# Altium PCB PCB SOM AM625.PcbDoc (part 5 of 6) (continued)
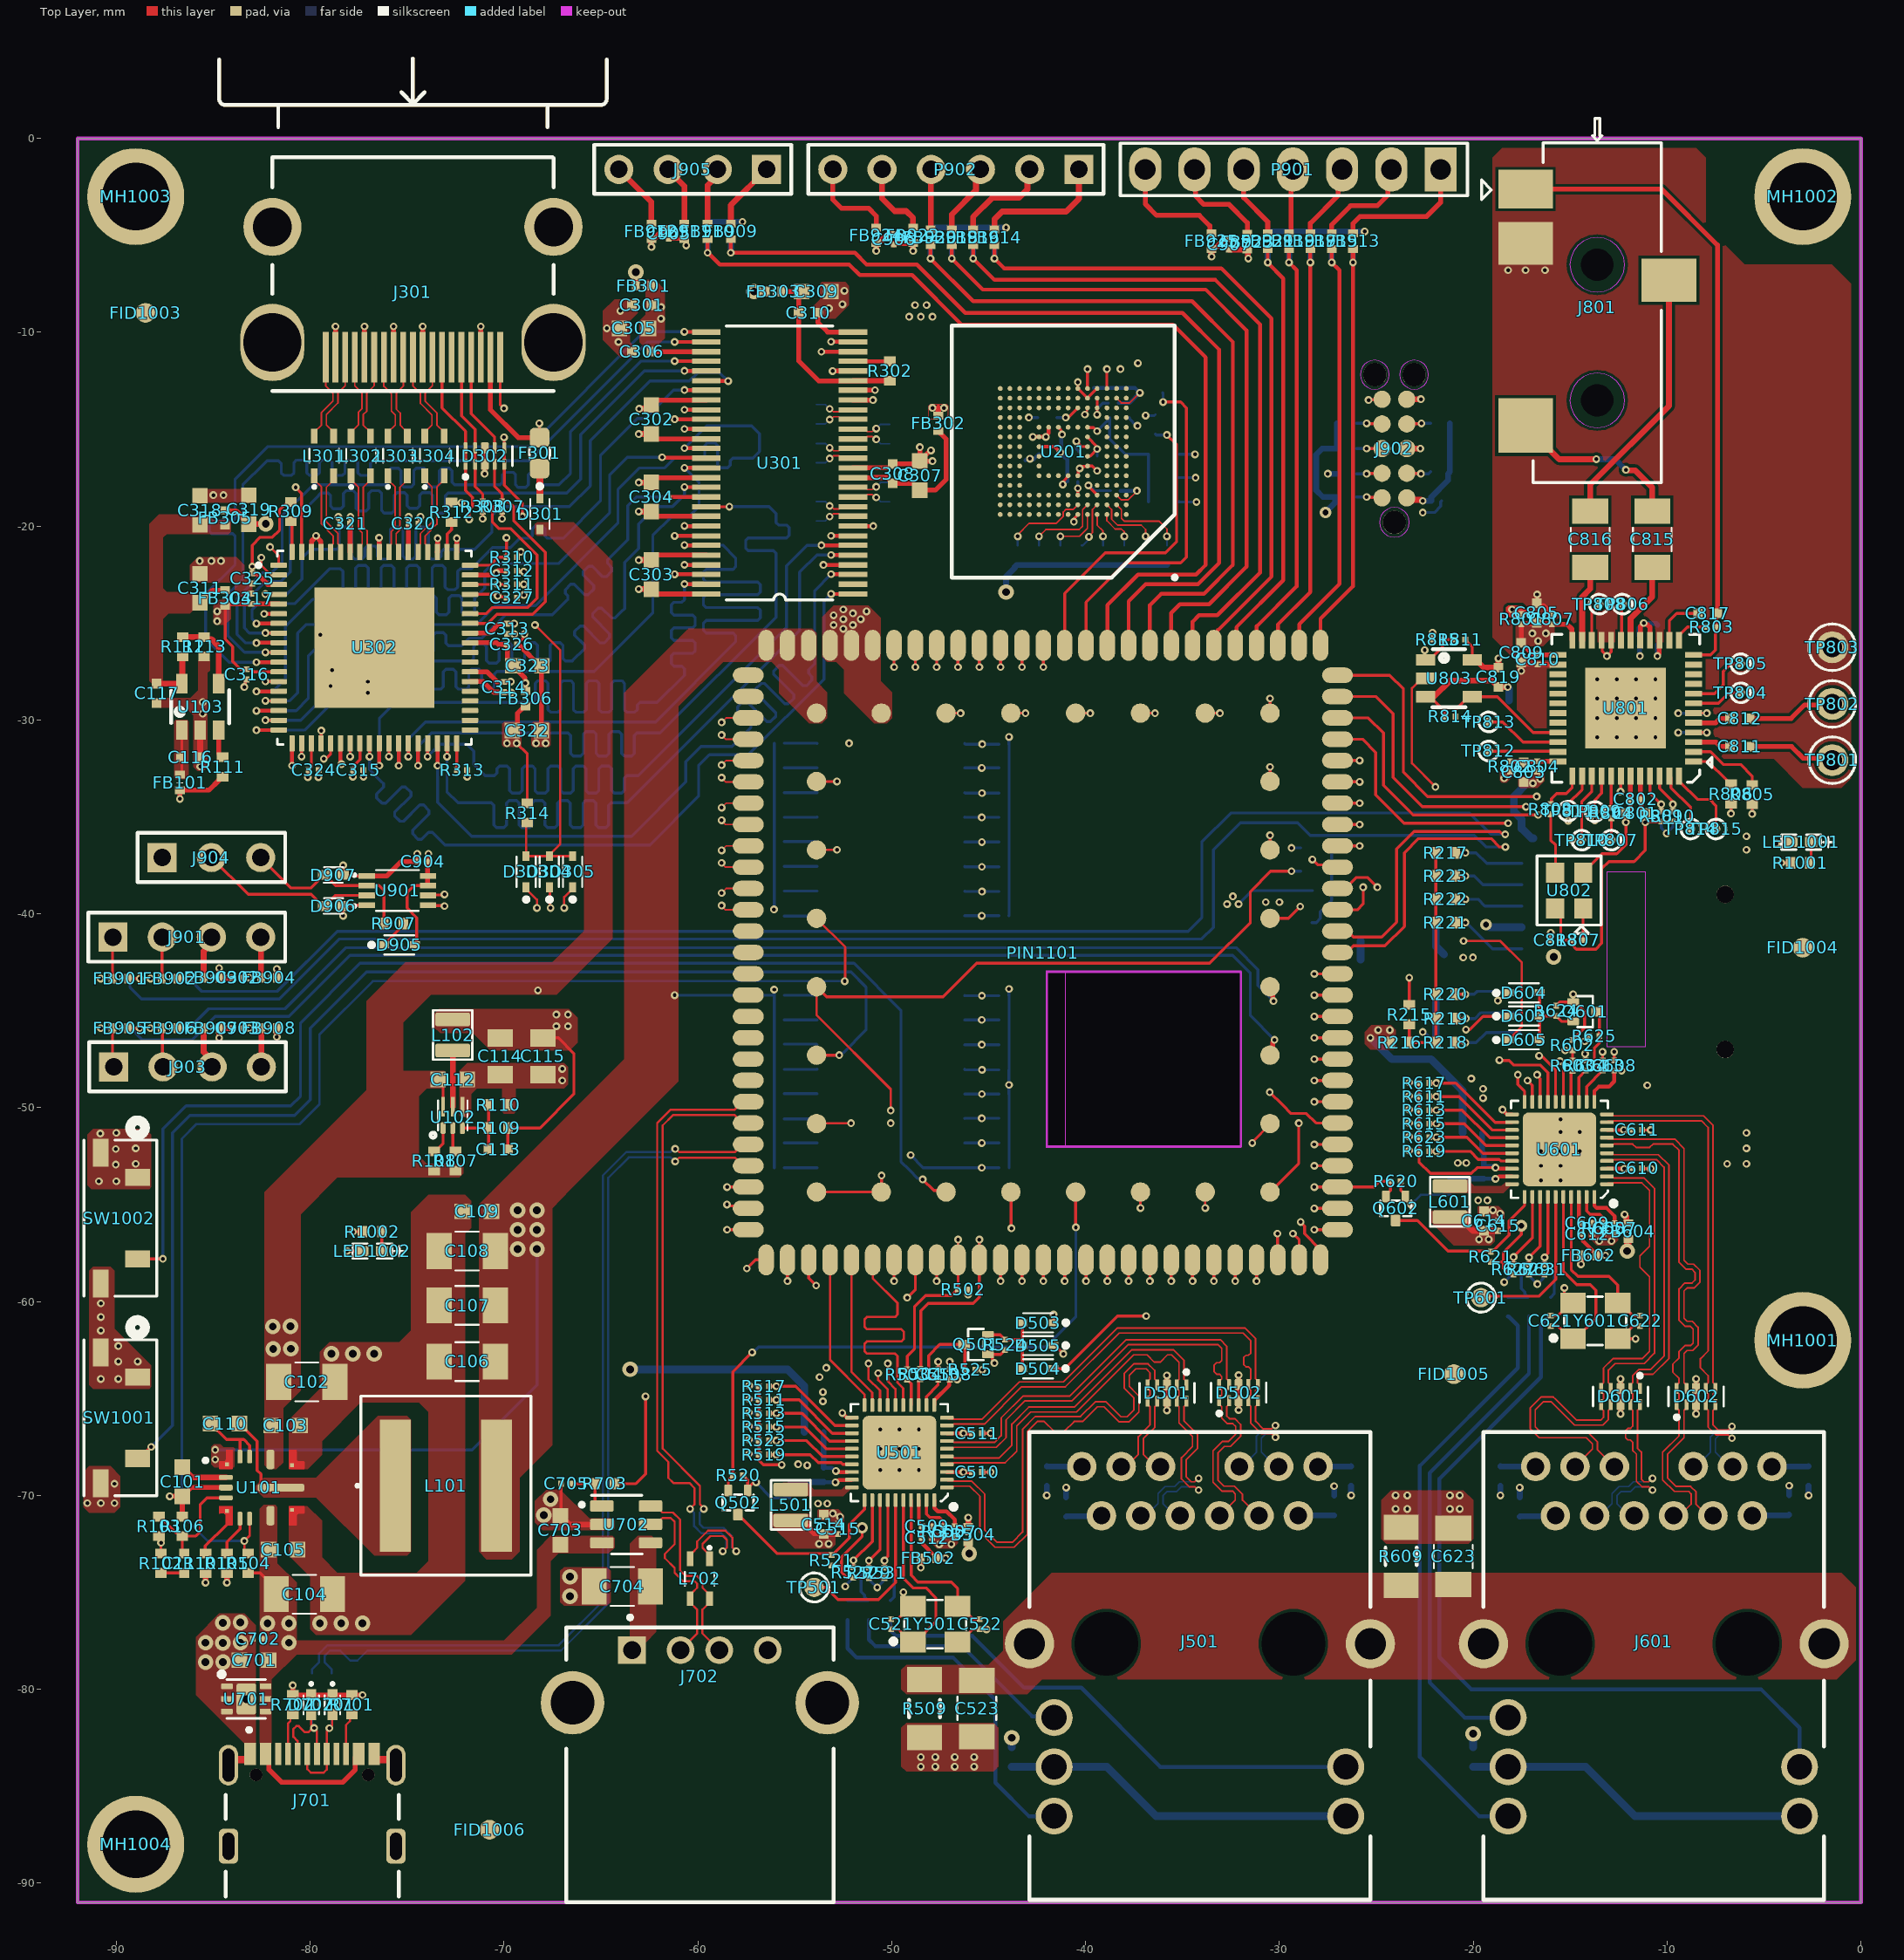
[diagram p0: Top Layer view]
## Nets (pads, with @x,y where several pads share a name; then routed paths per layer and width w, separated by ;. In a path a pad name is that pad's centre, name@x,y a point inside that pad or via, vN(x,y) a via of type N, cw(c..) or ccw(c..) an arc to the next point about the centre after c; other vN are vias at no path point) (continued)
  Bottom Layer w0.084: v1(-50.8,-14.975) -50.575,-14.75 R301.2@-50.1,-14.75
OLDI_RESETn: D303.2 PIN1101.110 | length 25.1
  Top Layer w0.122: D303.2@-68.864,-38.63 -68.864,-38.706 -68.3,-39.27 v1(-68.3,-39.7) ; PIN1101.110@-53.879,-50.821 -53.868,-50.81 -52.11,-50.81 v1(-52.1,-50.8)
  Layer 4 w0.122: v1(-68.3,-39.7) -68.3,-41.725 -59.225,-50.8 v1(-52.1,-50.8)
PHY1_DVDD3V3: C501.1 C502.1 C520.1 FB501.2 J501.14 J501.16 R521.2 R525.2 R527.2 R529.2 R531.2 U501.29 | length 61.5
  Top Layer w0.15: R521.2@-53.1,-73.615 -52.64,-73.615 -52.6,-73.575 ; v3(-51.525,-71.675) -51.525,-72.125 -52.6,-73.2 -52.6,-73.575 ; R531.2@-50.384,-74.259 -51.966,-74.259 -51.975,-74.25 -52.3,-74.25 -52.6,-73.95 -52.6,-73.575 ; R525.2@-45.69,-63.52 -45.688,-63.522 -45.328,-63.522 v1(-45.325,-63.525)
  Top Layer w0.2: -52.721,-69.2 U501.29@-52.05,-69.2
  Layer 3 w0.3: v1(-52.9,-69.325) -51.525,-70.7 v3(-51.525,-71.675) -49.625,-71.675 -46.5,-74.8 -46.5,-81.6 -44.093,-84.007 J501.16@-41.618,-84.007
  Layer 4 w0.122: v1(-52.9,-69.325) -48.425,-69.325 -48.05,-68.95 -48.05,-66.875 -47.125,-65.95 -45.9,-65.95 -45.325,-65.375 v1(-45.325,-63.525)
  Bottom Layer w0.2: C502.1@-53.5,-69.31 -53.492,-69.317 -52.908,-69.317 v1(-52.9,-69.325)
  Bottom Layer w0.3: FB501.2@-55.225,-69.35 -55.2,-69.375 -54.3,-69.375 C501.1@-54.28,-69.395 -54.275,-69.4 -54.185,-69.31 C502.1@-53.5,-69.31
  Bottom Layer w0.4: C520.1@-43.805,-83.995 -43.799,-84.001 -41.624,-84.001 J501.16@-41.618,-84.007 -38.893,-84.007 -36.353,-86.547 J501.14@-26.582,-86.547
PHY1_VDD1V0: C514.2 C515.1 FB502.2 FB503.1 L501.2 | length 2.6
  Top Layer w0.3: L501.2@-54.65,-71.3 -53.998,-71.952 -53.548,-71.952 C514.2@-53.505,-71.995 C515.1@-52.78,-71.995 ; v1(-48.5,-73.725) FB502.2@-48.5,-73.25
  other v1: -53.75,-72.5 -53.25,-72.5 -53.725,-63.9 -53.375,-63.425
PHY1_VDDIO: C505.1 C506.1 R501.1 R511.2 R513.2 R515.2 R517.2 R519.2 R523.2 U501.28 | length 11.3
  Top Layer w0.15: R519.2@-56.855,-67.895 -56.855,-68.195 -56.625,-68.425 v1(-55.675,-68.425) ; R519.2@-56.85,-67.9 R517.2@-56.85,-64.375
  Top Layer w0.2: v1(-52.876,-68.747) -52.822,-68.747 -52.774,-68.795 U501.28@-52.305,-68.795
  Layer 4 w0.122: v1(-55.675,-68.425) -55.175,-68.925 -53.087,-68.925 -52.909,-68.747 v1(-52.876,-68.747)
  Bottom Layer w0.2: C506.1@-53.51,-68.575 -53.086,-68.575 -52.914,-68.747 v1(-52.876,-68.747)
  Bottom Layer w0.3: C506.1@-53.51,-68.575 R501.1@-53.51,-66.735
PHY2_DVDD3V3: C601.1 C602.1 C620.1 FB601.2 J601.14 J601.16 R621.2 R625.2 R627.2 R629.2 R631.2 U601.29 | length 73.1
  Top Layer w0.15: R621.2@-19.1,-57.965 -18.528,-57.965 -18.45,-57.887 ; v1(-18.85,-53.675) v1@-18.796,-53.675 ; v3(-17.525,-56.1) -17.525,-56.55 -18.45,-57.475 -18.45,-57.887 ; R631.2@-16.32,-58.623 -16.329,-58.614 -18.136,-58.614 -18.45,-58.3 -18.45,-57.887 ; v1(-14.25,-46.575) -14.25,-46.535 R625.2@-14.015,-46.3
  Top Layer w0.2: v1@-18.796,-53.675 -18.671,-53.55 U601.29@-18,-53.55
  Layer 3 w0.122: v1(-18.85,-53.675) -18.25,-53.675 -17.95,-53.375 -17.95,-52.55 -16.05,-50.65 -16.05,-49.15 -14.65,-47.75 -14,-47.75 -13.775,-47.525 -13.775,-47.05 v1(-14.25,-46.575)
  Layer 3 w0.3: v1(-18.85,-53.675) -18.831,-53.694 -18.831,-54.321 -17.544,-55.608 -17.544,-56.081 v3(-17.525,-56.1) -17.582,-56.157 -17.582,-56.482 -22.1,-61 -22.1,-82.6 -20.693,-84.007 J601.16@-18.2,-84.007
  Bottom Layer w0.2: C602.1@-19.45,-53.66 -19.443,-53.667 -18.858,-53.667 v1(-18.85,-53.675)
  Bottom Layer w0.3: FB601.2@-21.175,-53.7 -21.15,-53.725 -20.25,-53.725 C601.1@-20.225,-53.75 -20.135,-53.66 C602.1@-19.45,-53.66
  Bottom Layer w0.4: C620.1@-20,-84 -19.997,-84.003 -18.203,-84.003 J601.16@-18.2,-84.007 -14.193,-84.007 -11.653,-86.547 J601.14@-3.163,-86.547
PHY2_VDD1V0: C614.2 C615.1 FB602.2 FB603.1 L601.2 | length 3.3
  Top Layer w0.3: L601.2@-21.2,-55.65 -20.65,-55.65 -20.45,-55.85 -20.45,-55.922 -20.022,-56.35 -19.55,-56.35 C615.1@-18.725,-56.35 ; v1(-14.445,-58.08) FB602.2@-14.445,-57.605
  other v1: -19.7,-56.8 -19.2,-56.8 -20.1,-48.5
PHY2_VDDIO: C605.1 C606.1 R601.1 R611.2 R613.2 R615.2 R617.2 R619.2 R623.2 U601.28 | length 11.4
  Top Layer w0.15: R617.2@-22.795,-48.73 -22.795,-49.425 -22.795,-50.125 -22.795,-50.825 -22.795,-51.525 -22.795,-52.25 -22.795,-52.805 -22.2,-53.4 -20.1,-53.4 -19.792,-53.092 v1(-18.854,-53.092)
  Top Layer w0.2: v1(-18.854,-53.092) -18.8,-53.092 -18.742,-53.15 U601.28@-18.25,-53.15
  Bottom Layer w0.2: C606.1@-19.455,-52.95 -19.455,-52.955 -19.41,-53 -19,-53 -18.908,-53.092 v1(-18.854,-53.092)
  Bottom Layer w0.3: R601.1@-19.55,-51.3 C605.1@-19.55,-52.275 -19.46,-52.365 C606.1@-19.46,-53
PHYRSTB_1: C513.2 Q501.3 R525.1 U501.12 | length 6.5
  Top Layer w0.15: U501.12@-48.205,-65.345 -48.205,-64.905 -47.612,-64.312 -47.612,-64.032 C513.2@-47.605,-64.025 -47.625,-64.005 -47.892,-64.005 -48.1,-63.797 -48.1,-62.8 -47.52,-62.22 Q501.3@-46.275,-62.22 -46.22,-62.275 R525.1@-46.22,-63.52
PHYRSTB_2: C613.2 Q601.3 R625.1 U601.12 | length 5.3
  Top Layer w0.15: U601.12@-14.15,-49.7 -14.15,-48.915 C613.2@-13.325,-48.09 -13.4,-48.015 -13.488,-48.015 -13.75,-47.753 -13.75,-46.933 -13.492,-46.675 -13.492,-46.307 R625.1@-13.485,-46.3 Q601.3@-13.485,-45.055 ; Q601.3@-13.61,-45.055 Q601.3@-13.605,-45.05
PMIC_PBn: PIN1101.135 SW1002.2 | length 63.6
  Top Layer w0.15: SW1002.2@-88.911,-57.8 v1(-87.6,-57.8) ; v1(-48.4,-53.7) -47.832,-54.268 -47.277,-54.268 PIN1101.135@-47.195,-54.35
  Bottom Layer w0.15: v1(-87.6,-57.8) -87.6,-51.1 -86.4,-49.9 -81,-49.9 -80.5,-49.4 -80.5,-45.625 -77.425,-42.55 -51.95,-42.55 -49.525,-44.975 -49.525,-52.775 -49.086,-53.214 -48.648,-53.652 -48.448,-53.652 v1(-48.4,-53.7)
PORz_OUT: D203.2 D304.2 D504.2 D604.2 PIN1101.129 | length 142.8
  Top Layer w0.122: D304.2@-67.664,-38.63 -67.632,-38.662 -67.632,-39.668 v1(-67.6,-39.7) ; v1(-31.4,-51.825) -31.4,-51.781 -30.485,-50.865 PIN1101.129@-30.485,-50.821
  Top Layer w0.15: D504.2@-41.655,-63.47 -41.07,-63.47 -38.35,-60.75 v1(-36.875,-60.75) ; v1(-18.725,-44.475) -18.677,-44.427 -18.603,-44.427 -18.251,-44.075 D604.2@-18.175,-44.075
  Layer 3 w0.122: v1(-50.05,-50.8) -48.65,-50.8 -46.827,-52.623 -32.198,-52.623 v1(-31.4,-51.825) -29.875,-50.3 -26.4,-50.3 -25.8,-49.7 -25.8,-47.725 -24.65,-46.575 -22.275,-46.575 -20.425,-44.725 -18.975,-44.725 v1(-18.725,-44.475)
  Layer 4 w0.122: v1(-67.6,-39.7) -67.6,-41.8 -59.653,-49.747 -52.303,-49.747 -51.25,-50.8 v1(-50.05,-50.8) ; v1(-34.35,-16.3) -31.5,-16.3 -25.5,-10.3 -21.875,-10.3 -19.9,-12.275 -19.9,-37.15 -18.725,-38.325 -18.725,-40.775 -19.55,-41.6 -19.55,-44.025 -19.108,-44.467 -18.733,-44.467 v1(-18.725,-44.475)
  Layer 4 w0.15: v1(-36.875,-60.75) -35.95,-60.75 -35,-59.8 -35,-58.3 -34.1,-57.4 -27.8,-57.4 -27.3,-56.9 -27.3,-52 -28,-51.3 -30.875,-51.3 v1(-31.4,-51.825)
  Bottom Layer w0.15: D203.2@-35.15,-16.3 v1(-34.35,-16.3)
REG_OUT1: L501.1 U501.30
REG_OUT2: L601.1 U601.30
RESETn: C327.1 D303.1 D304.1 D305.1 R314.1 U302.51 | length 21.4
  Top Layer w0.122: R314.1@-68.8,-35.3 -68.864,-35.364 D303.1@-68.864,-37.029 D304.1@-67.664,-37.029 ; v1(-68.4,-25.1) -67.1,-26.4 -67.1,-36.389 -67.664,-36.953 D304.1@-67.664,-37.029 ; D305.1@-66.464,-37.029 D304.1@-67.664,-37.029
  Top Layer w0.15: U302.51@-71.754,-23.519 -70.473,-23.519 -70.393,-23.6 v1(-70.325,-23.6) ; v1@-70.365,-23.56 v1(-70.325,-23.6) ; C327.1@-69.865,-23.7 -69.917,-23.648 -70.277,-23.648 v1(-70.325,-23.6)
  Layer 3 w0.122: v1(-70.325,-23.6) -69.9,-23.6 v1(-68.4,-25.1)
RESETSTATz: D201.2 D205.2 D305.2 D505.2 D605.2 PIN1101.112 U803.2 | length 155.1
  Top Layer w0.122: v1(-66.9,-39.7) -66.9,-39.142 -66.464,-38.706 D305.2@-66.464,-38.63 ; PIN1101.112@-53.879,-43.763 -53.879,-45.221 -50.05,-49.05 v1(-50.05,-50.15) ; U803.2@-22.45,-27.85 -22.65,-27.85 -23.161,-28.361 -23.161,-32.239 v1(-21.95,-33.45) ; v1(-20.5,-41.4) -18.6,-41.4 -17.5,-42.5 -17.5,-45.825 -17.982,-46.307 -17.982,-46.383 -18.099,-46.5 D605.2@-18.175,-46.5
  Top Layer w0.15: PIN1101.112@-53.879,-43.763 -53.877,-43.763 -53.365,-44.275 -47.35,-44.275 -45.625,-42.55 -33.6,-42.55 -31.5,-40.45 -31.5,-38.85 -30.45,-37.8 v1(-29.375,-37.8) ; D505.2@-41.65,-62.275 -41.574,-62.275 v1(-41.15,-62.7) v1(-41.15,-62.7)
  Layer 3 w0.122: v1(-21.95,-33.45) -21.95,-34.7 -25.05,-37.8 v1(-29.375,-37.8) -29.375,-40.525 -28.5,-41.4 v1(-20.5,-41.4)
  Layer 4 w0.122: v1(-66.9,-39.7) -66.9,-41.8 -62.752,-45.948 -55.717,-45.948 -51.515,-50.15 -49.15,-50.15 -48.136,-51.164 -48.136,-53.114 -44.95,-56.3 -44.95,-61.425 -43.675,-62.7 v1(-41.15,-62.7) ; v1(-34.325,-17.5) -31.975,-17.5 -25.3,-10.825 -22.225,-10.825 -20.575,-12.475 -20.575,-32.075 v1(-21.95,-33.45)
  Bottom Layer w0.15: D201.2@-35.15,-17.5 v1(-34.325,-17.5) ; v1(-29.375,-37.8) D205.2@-28.9,-37.8
RGMII1_TD0: PIN1101.19 U501.18 | length 12.4
  Top Layer w0.122: v1(-51.2,-63.2) -51.2,-64 -50.605,-64.595 U501.18@-50.605,-65.345
  Top Layer w0.15: v1(-47.679,-58.944) PIN1101.19@-47.679,-57.85
  Layer 4 w0.122: v1(-51.2,-63.2) -51.2,-58.4 -50.7,-57.9 -48.723,-57.9 v1(-47.679,-58.944)
RGMII1_TD1: PIN1101.20 U501.17 | length 12.4
  Top Layer w0.122: v1(-50.7,-63.7) -50.7,-64.047 -50.205,-64.542 U501.17@-50.205,-65.345
  Top Layer w0.15: v1(-49.2,-59.8) -48.779,-59.379 PIN1101.20@-48.779,-57.85
  Layer 4 w0.122: v1(-50.7,-63.7) -50.7,-58.6 -50.4,-58.3 -49.2,-58.3 -48.9,-58.6 -48.9,-59.425 -49.2,-59.725 v1(-49.2,-59.8)
RGMII1_TD2: PIN1101.21 U501.16 | length 12.5
  Top Layer w0.122: v1(-50.2,-63.2) -50.2,-64.115 -49.805,-64.51 U501.16@-49.805,-65.345
  Top Layer w0.15: v1(-49.879,-58.944) PIN1101.21@-49.879,-57.85
  Layer 4 w0.122: v1(-50.2,-63.2) -50.2,-62.999 -50.2,-62.308 -50.074,-62.182 -49.002,-62.182 -48.876,-62.056 -48.876,-61.678 -49.002,-61.552 -50.088,-61.552 -50.214,-61.426 -50.214,-61.048 -50.088,-60.922 -49.002,-60.922 -48.876,-60.796 -48.876,-60.418 -49.002,-60.292 -50.074,-60.292 -50.2,-60.166 -50.2,-59.8 -50.2,-59.265 v1(-49.879,-58.944)
RGMII1_TD3: PIN1101.22 U501.15 | length 15
  Top Layer w0.122: PIN1101.22@-50.979,-57.85 -50.979,-58.796 -49.7,-60.075 -49.7,-60.375 -49.7,-60.672 -49.826,-60.798 -51.276,-60.798 -51.402,-60.924 -51.402,-61.302 -51.276,-61.428 -49.508,-61.428 -49.382,-61.554 -49.382,-61.932 -49.508,-62.058 -51.276,-62.058 -51.402,-62.184 -51.402,-62.562 -51.276,-62.688 -49.826,-62.688 -49.7,-62.814 -49.7,-62.875 -49.7,-64.179 -49.405,-64.474 U501.15@-49.405,-65.345
RGMII1_TX_CTL: PIN1101.23 U501.19 | length 7.9
  Top Layer w0.122: PIN1101.23@-52.079,-57.85 -52.079,-63.621 -51.005,-64.695 U501.19@-51.005,-65.345
RGMII1_TXC: PIN1101.24 U501.20 | length 8.2
  Top Layer w0.122: PIN1101.24@-53.179,-57.85 -53.179,-63.021 -51.405,-64.795 U501.20@-51.405,-65.345
RGMII2_TD0: PIN1101.5 U601.18 | length 34
  Top Layer w0.15: v1(-32.279,-58.944) PIN1101.5@-32.279,-57.85 ; v1(-16.7,-48.3) -16.7,-48.363 -16.55,-48.513 U601.18@-16.55,-49.7
  Layer 4 w0.122: v1(-32.279,-58.944) -32.279,-59.646 -31.825,-60.1 -27.575,-60.1 -24.5,-57.025 -24.5,-48.2 -23.425,-47.125 -19.825,-47.125 -17.925,-45.225 -16.625,-45.225 -16.1,-45.75 -16.1,-47.7 v1(-16.7,-48.3)
RGMII2_TD1: PIN1101.6 U601.17 | length 34
  Top Layer w0.15: v1(-33.379,-58.944) PIN1101.6@-33.379,-57.85 ; v1(-18.65,-47.55) -18.632,-47.568 -18.15,-47.568 -17.918,-47.8 -16.55,-47.8 -16.15,-48.2 U601.17@-16.15,-49.7
  Layer 4 w0.122: v1(-33.379,-58.944) -33.379,-59.646 -32.45,-60.575 -26.996,-60.575 -24.025,-57.604 -24.025,-55.45 -24.025,-54.703 -23.899,-54.577 -23.507,-54.577 -23.381,-54.451 -23.381,-54.073 -23.507,-53.947 -23.918,-53.947 -24.044,-53.821 -24.044,-53.443 -23.918,-53.317 -23.507,-53.317 -23.381,-53.191 -23.381,-52.813 -23.507,-52.687 -23.899,-52.687 -24.025,-52.561 -24.025,-52.5 -24.025,-48.45 -23.125,-47.55 v1(-18.65,-47.55)
RGMII2_TD2: PIN1101.7 U601.16 | length 34
  Top Layer w0.15: v1(-34.479,-58.944) PIN1101.7@-34.479,-57.85 ; v1(-16.6,-47.325) -16.552,-47.373 -16.427,-47.373 -15.75,-48.05 U601.16@-15.75,-49.7
  Layer 4 w0.122: v1(-34.479,-58.944) -34.479,-59.921 -33.4,-61 -26.275,-61 -22.675,-57.4 -22.675,-48.675 -22,-48 -18.15,-48 -17.475,-47.325 v1(-16.6,-47.325)
RGMII2_TD4: PIN1101.8 U601.15 | length 36
  Top Layer w0.15: v1(-35.579,-58.944) PIN1101.8@-35.579,-57.85 ; v1(-15.525,-47.6) -15.525,-47.638 -15.35,-47.813 U601.15@-15.35,-49.7
  Layer 3 w0.122: v1(-35.579,-58.944) -34.823,-59.7 -24.95,-59.7 -21.325,-56.075 -21.325,-52.355 -21.325,-51.664 -21.199,-51.538 -20.791,-51.538 -20.665,-51.412 -20.665,-51.034 -20.791,-50.908 -21.31,-50.908 -21.436,-50.782 -21.436,-50.404 -21.31,-50.278 -20.791,-50.278 -20.665,-50.152 -20.665,-49.774 -20.791,-49.648 -21.199,-49.648 -21.325,-49.522 -21.325,-48.9 -21.325,-48.375 -20.75,-47.8 -19.575,-47.8 -18.625,-46.85 -16.275,-46.85 v1(-15.525,-47.6)
RGMII2_TX_CTL: PIN1101.9 U601.19 | length 30
  Top Layer w0.15: v1(-36.679,-58.944) PIN1101.9@-36.679,-57.85 ; v1(-17.2,-48.6) -16.95,-48.85 U601.19@-16.95,-49.7
  Layer 3 w0.122: v1(-36.679,-58.944) -35.548,-60.075 -24.4,-60.075 -20.825,-56.5 -20.825,-54.025 -19.787,-52.987 -19.787,-52.088 -18.737,-51.038 -17.838,-51.038 -17.2,-50.4 v1(-17.2,-48.6)
RGMII2_TXC: PIN1101.10 U601.20 | length 35.2
  Top Layer w0.15: v1(-37.779,-58.944) PIN1101.10@-37.779,-57.85 ; v1(-17.7,-48.3) -17.7,-48.8 -17.35,-49.15 U601.20@-17.35,-49.7
  Layer 3 w0.122: v1(-37.779,-58.944) -36.248,-60.475 -24.2,-60.475 -20.35,-56.625 -20.35,-54.275 -19.4,-53.325 -19.4,-52.325 -18.525,-51.45 -17.45,-51.45 -16.675,-50.675 -16.675,-49.225 -16,-48.55 -16,-48.175 -16.35,-47.825 -17.225,-47.825 v1(-17.7,-48.3)
RSET1: R505.1 U501.39 | length 2
  Top Layer w0.15: U501.39@-48.2,-70.25 -48.2,-70.975 -48.025,-71.15 -47.525,-71.15 -47.325,-71.35 R505.1@-47.325,-71.61
RSET2: R605.1 U601.39 | length 2
  Top Layer w0.15: U601.39@-14.145,-54.605 -14.145,-55.33 -13.97,-55.505 -13.47,-55.505 -13.27,-55.705 R605.1@-13.27,-55.965
RXC1/PHYAD1: PIN1101.29 R518.2 R519.1 U501.27 | length 28
  Top Layer w0.15: v1(-58.5,-55) -58.432,-55 -58.363,-55.07 -57.524,-55.07 PIN1101.29@-57.4,-55.194 ; R519.1@-56.32,-67.9 v1(-55.95,-67.9) -54.207,-67.9 -53.79,-68.317 -52.612,-68.317 -52.534,-68.395 U501.27@-52.055,-68.395
  Layer 4 w0.122: v1(-58.5,-55) -57.8,-55 -57.5,-54.7 -57.5,-53.8 -57.8,-53.5 -59.1,-53.5 -60,-54.4 -60,-58.7 -58.1,-60.6 -58.1,-68 -57.7,-68.4 -56.45,-68.4 v1(-55.95,-67.9)
  Bottom Layer w0.15: R518.2@-56.32,-67.9 v1(-55.95,-67.9)
RXC2/PHYAD1: PIN1101.15 R618.2 R619.1 U601.27 | length 36.8
  Top Layer w0.15: v1(-43.279,-58.944) PIN1101.15@-43.279,-57.85 ; R619.1@-22.265,-52.255 v1(-21.895,-52.255) -20.152,-52.255 -19.74,-52.667 -18.664,-52.667 -18.581,-52.75 U601.27@-18,-52.75
  Layer 4 w0.122: v1(-43.279,-58.944) -43.279,-60.846 -42.425,-61.7 -25.75,-61.7 -21.895,-57.845 v1(-21.895,-52.255)
  Bottom Layer w0.15: R618.2@-22.265,-52.255 v1(-21.895,-52.255)
RXCTL1/PHYAD2: PIN1101.30 R522.2 R523.1 U501.26 | length 21.5
  Top Layer w0.15: v1(-58.494,-54.094) PIN1101.30@-57.4,-54.094 ; R523.1@-56.32,-67.175 v1(-55.95,-67.175) -54.384,-67.175 -53.559,-68 U501.26@-52.05,-68
  Layer 4 w0.122: v1(-58.494,-54.094) -59.094,-54.094 -59.6,-54.6 -59.6,-58.2 -56.6,-61.2 -56.6,-66.525 v1(-55.95,-67.175)
  Bottom Layer w0.15: R522.2@-56.32,-67.175 v1(-55.95,-67.175)
RXCTL2/PHYAD2: PIN1101.16 R622.2 R623.1 U601.26 | length 40.3
  Top Layer w0.15: v1(-44.379,-58.944) PIN1101.16@-44.379,-57.85 ; R623.1@-22.265,-51.53 v1(-21.895,-51.53) -20.329,-51.53 -19.504,-52.355 U601.26@-17.995,-52.355
  Layer 4 w0.122: v1(-44.379,-58.944) -44.379,-61.296 -43.55,-62.125 -25.275,-62.125 -21.35,-58.2 -21.35,-52.075 v1(-21.895,-51.53)
  Bottom Layer w0.15: R622.2@-22.265,-51.53 v1(-21.895,-51.53)
RXD10/RXDLY: PIN1101.25 R514.2 R515.1 U501.25 | length 15.7
  Top Layer w0.15: R515.1@-56.32,-66.475 v1(-55.95,-66.475) -54.514,-66.475 -53.389,-67.6 U501.25@-52.05,-67.6 ; PIN1101.25@-54.279,-57.85 -54.279,-58.796 v1(-53.9,-59.175)
  Layer 4 w0.122: v1(-55.95,-66.475) -54.6,-66.475 -54.15,-66.025 -54.15,-63.275 -53.675,-62.8 -53.675,-59.4 v1(-53.9,-59.175)
  Bottom Layer w0.15: R514.2@-56.32,-66.475 v1(-55.95,-66.475)
RXD11/TXDLY: PIN1101.26 R512.2 R513.1 U501.24 | length 15.7
  Top Layer w0.15: R513.1@-56.32,-65.775 v1(-55.95,-65.775) -54.628,-65.775 -53.203,-67.2 U501.24@-52.05,-67.2 ; v1(-55.379,-58.944) PIN1101.26@-55.379,-57.85
  Layer 4 w0.122: v1(-55.95,-65.775) -55.942,-65.767 -55.067,-65.767 -54.625,-65.325 -54.625,-63.025 -54.1,-62.5 -54.1,-62.15 -54.675,-61.575 -54.675,-61.175 -54.15,-60.65 -54.15,-60.3 -54.55,-59.9 -55.075,-59.9 -55.379,-59.596 v1(-55.379,-58.944)
  Bottom Layer w0.15: R512.2@-56.32,-65.775 v1(-55.95,-65.775)
RXD12/PLLOFF: PIN1101.27 R510.2 R511.1 U501.23 | length 15.7
  Top Layer w0.15: v1(-57.475,-58.3) -57.025,-57.85 PIN1101.27@-56.479,-57.85 ; R511.1@-56.32,-65.075 v1(-55.95,-65.075) -54.781,-65.075 -53.056,-66.8 U501.23@-52.05,-66.8
  Layer 4 w0.122: v1(-57.475,-58.3) -57.475,-58.725 -57.187,-59.012 -56.138,-59.012 -55.875,-59.275 -55.875,-59.825 -55.125,-60.575 -55.125,-61.375 -55.575,-61.825 -55.575,-63.125 -55.125,-63.575 -55.125,-64.425 -55.722,-65.022 -55.897,-65.022 v1(-55.95,-65.075)
  Bottom Layer w0.15: R510.2@-56.32,-65.075 v1(-55.95,-65.075)
RXD13/PHYAD0: PIN1101.28 R516.2 R517.1 U501.22 | length 15.7
  Top Layer w0.15: v1(-58.494,-56.294) PIN1101.28@-57.4,-56.294 ; R517.1@-56.32,-64.375 v1(-55.95,-64.375) -54.959,-64.375 -52.934,-66.4 U501.22@-52.05,-66.4
  Layer 4 w0.122: v1(-58.494,-56.294) -58.494,-58.506 -55.95,-61.05 v1(-55.95,-64.375)
  Bottom Layer w0.15: R516.2@-56.32,-64.375 v1(-55.95,-64.375)
RXD20/RXDLY: PIN1101.11 R614.2 R615.1 U601.25 | length 37.3
  Top Layer w0.15: v1(-38.879,-58.944) PIN1101.11@-38.879,-57.85 ; R615.1@-22.265,-50.83 v1(-21.895,-50.83) -20.459,-50.83 -19.334,-51.955 U601.25@-17.995,-51.955
  Layer 3 w0.122: v1(-38.879,-58.944) -38.26,-58.325 -30.35,-58.325 -29.659,-58.325 -29.533,-58.451 -29.533,-58.974 -29.407,-59.1 -29.029,-59.1 -28.903,-58.974 -28.903,-58.447 -28.777,-58.321 -28.399,-58.321 -28.273,-58.447 -28.273,-58.974 -28.147,-59.1 -27.769,-59.1 -27.643,-58.974 -27.643,-58.447 -27.517,-58.321 -27.139,-58.321 -27.013,-58.447 -27.013,-58.974 -26.887,-59.1 -26.51,-59.1 -26.384,-58.974 -26.384,-58.447 -26.258,-58.321 -25.88,-58.321 -25.754,-58.447 -25.754,-58.974 -25.628,-59.1 -25.25,-59.1 -25.124,-58.974 -25.124,-58.451 -24.998,-58.325 -24.475,-58.325 -24.3,-58.325 -22.85,-56.875 -22.425,-56.45 -22.425,-56.006 -22.299,-55.88 -22.01,-55.88 -21.884,-55.754 -21.884,-55.376 -22.01,-55.25 -22.402,-55.25 -22.528,-55.124 -22.528,-54.746 -22.402,-54.62 -22.01,-54.62 -21.884,-54.494 -21.884,-54.116 -22.01,-53.99 -22.402,-53.99 -22.528,-53.864 -22.528,-53.486 -22.402,-53.36 -22.01,-53.36 -21.884,-53.234 -21.884,-52.856 -22.01,-52.73 -22.299,-52.73 -22.425,-52.604 -22.425,-52.5 -22.425,-51.36 v1(-21.895,-50.83)
  Bottom Layer w0.15: R614.2@-22.265,-50.83 v1(-21.895,-50.83)
RXD21/TXDLY: PIN1101.12 R612.2 R613.1 U601.24 | length 37.3
  Top Layer w0.15: v1(-39.979,-58.944) PIN1101.12@-39.979,-57.85 ; R613.1@-22.265,-50.13 v1(-21.895,-50.13) -20.573,-50.13 -19.148,-51.555 U601.24@-17.995,-51.555
  Layer 3 w0.122: v1(-39.979,-58.944) -40.75,-59.715 -40.75,-60.675 -40.5,-60.925 -39.725,-60.925 -39.45,-60.65 -39.45,-58.415 -39.01,-57.975 -24.625,-57.975 -22.8,-56.15 -22.8,-53.9 -22.8,-53.839 -22.926,-53.713 -23.398,-53.713 -23.524,-53.587 -23.524,-53.209 -23.398,-53.083 -22.926,-53.083 -22.8,-52.957 -22.8,-52.475 -22.8,-51.035 v1(-21.895,-50.13)
  Bottom Layer w0.15: R612.2@-22.265,-50.13 v1(-21.895,-50.13)
RXD22/PLLOFF: PIN1101.13 R610.2 R611.1 U601.23 | length 37.3
  Top Layer w0.15: v1(-41.079,-58.944) PIN1101.13@-41.079,-57.85 ; R611.1@-22.265,-49.43 v1(-21.895,-49.43) -20.726,-49.43 -19.001,-51.155 U601.23@-17.995,-51.155
  Layer 3 w0.122: v1(-41.079,-58.944) -41.381,-58.944 -41.675,-58.65 -41.675,-58.05 -41.125,-57.5 -24.8,-57.5 -23.9,-56.6 -23.9,-48.6 -23.492,-48.192 -22.884,-48.192 -22.6,-48.476 -22.6,-49.225 -22.395,-49.43 v1(-21.895,-49.43)
  Bottom Layer w0.15: R610.2@-22.265,-49.43 v1(-21.895,-49.43)
RXD23/PHYAD0: PIN1101.14 R616.2 R617.1 U601.22 | length 37.3
  Top Layer w0.15: v1(-42.179,-58.944) PIN1101.14@-42.179,-57.85 ; R617.1@-22.265,-48.73 v1(-21.895,-48.73) -20.904,-48.73 -18.879,-50.755 U601.22@-17.995,-50.755
  Layer 3 w0.122: v1(-42.179,-58.944) -42.179,-57.929 -41.3,-57.05 -25.1,-57.05 -24.325,-56.275 -24.325,-48.425 -23.675,-47.775 -22.475,-47.775 -21.895,-48.355 v1(-21.895,-48.73)
  Bottom Layer w0.15: R616.2@-22.265,-48.73 v1(-21.895,-48.73)
SD_PWR_EN: D204.2 PIN1101.87 | length 8
  Top Layer w0.15: PIN1101.87@-27,-33.194 v1(-25.856,-33.194)
  Layer 4 w0.122: v1(-29.375,-36.6) -29.375,-34.05 -28.519,-33.194 v1(-25.856,-33.194)
  Bottom Layer w0.15: v1(-29.375,-36.6) D204.2@-28.9,-36.6
SHTDN_OLDI: R302.1 U301.25 | length 1.9
  Top Layer w0.2: U301.25@-52,-11.488 -51.994,-11.494 -50.106,-11.494 R302.1@-50.1,-11.5
SoC_EMU0: J902.7 PIN1101.119 R905.1 | length 31
  Top Layer w0.15: PIN1101.119@-43.853,-29.647 -43.851,-29.648 -43.102,-29.648 v1(-43.1,-29.65) ; v1(-25.5,-14.7) -25.485,-14.715 -24.715,-14.715 J902.7@-24.7,-14.73
  Layer 4 w0.122: v1(-43.1,-29.65) -41.375,-29.65 -40.425,-28.7 -35,-28.7 -32.875,-26.575 -28.575,-26.575 -26,-24 -26,-15.2 v1(-25.5,-14.7)
  Bottom Layer w0.15: R905.1@-26.03,-14.7 v1(-25.5,-14.7)
SoC_EMU1: J902.10 PIN1101.120 R904.1 | length 24.2
  Top Layer w0.15: PIN1101.120@-40.511,-29.647 -40.509,-29.648 -39.76,-29.648 v1(-39.758,-29.65) ; v1(-25.5,-18.5) -25.48,-18.52 -24.72,-18.52 J902.10@-24.7,-18.54
  Layer 4 w0.122: v1(-39.758,-29.65) -39.204,-29.096 -34.696,-29.096 -32.6,-27 -28.5,-27 -25.5,-24 v1(-25.5,-18.5)
  Bottom Layer w0.15: R904.1@-26.03,-18.5 v1(-25.5,-18.5)
SOC_MMC0_CLK: PIN1101.69 R211.1 | length 15.9
  Top Layer w0.15: PIN1101.69@-41.079,-26.15 -41.079,-23.479 -38.975,-21.375 -35.875,-21.375 -35.3,-20.8 -35.3,-15.8 v1(-35.8,-15.3)
  Bottom Layer w0.15: R211.1@-36.4,-15.25 -36.35,-15.3 v1(-35.8,-15.3)
SOC_MMC0_CMD: PIN1101.70 R209.1 U201.M5 | length 22.6
  Top Layer w0.1: v1(-40.031,-14.247) -40.031,-14.166 -39.929,-14.064 -39.929,-13.929 U201.M5@-39.9,-13.9
  Top Layer w0.15: PIN1101.70@-39.979,-26.15 -39.979,-23.929 -37.95,-21.9 -35.1,-21.9 -34.8,-21.6 -34.8,-13.9 -35.1,-13.6 v1(-36,-13.6)
  Layer 4 w0.122: v1(-40.031,-14.247) -39.384,-13.6 v1(-36,-13.6)
  Bottom Layer w0.15: R209.1@-36.025,-13.125 -36,-13.15 v1(-36,-13.6)
SOC_MMC0_DAT0: PIN1101.68 R208.1 U201.A3 | length 22.6
  Top Layer w0.08: U201.A3@-38.9,-19.4 -38.9,-19.725 -38.475,-20.15 -38.15,-20.15 -38,-20.3 v1(-38,-20.525)
  Top Layer w0.15: v1(-42.179,-27.271) PIN1101.68@-42.179,-26.15 ; v1@-38.013,-20.538 v1(-38,-20.525)
  Layer 4 w0.122: v1(-42.179,-27.271) -40.106,-27.271 -40.045,-27.271 -39.919,-27.145 -39.919,-26.34 -39.793,-26.214 -39.415,-26.214 -39.289,-26.34 -39.289,-27.16 -39.163,-27.286 -38.786,-27.286 -38.66,-27.16 -38.66,-26.34 -38.534,-26.214 -38.156,-26.214 -38.03,-26.34 -38.03,-27.145 -37.904,-27.271 -37.708,-27.271 -37.471,-27.271 -35.3,-25.1 -35.3,-20.3 -35.6,-20 -37.475,-20 v1(-38,-20.525)
  Bottom Layer w0.107: R208.1@-38,-21 v1(-38,-20.525)
SOC_MMC0_DAT1: PIN1101.67 R207.1 U201.A4 | length 22.6
  Top Layer w0.08: U201.A4@-39.4,-19.4 -39.4,-19.95 -39.1,-20.25 v1(-39.1,-20.525)
  Top Layer w0.15: v1(-43.279,-27.271) PIN1101.67@-43.279,-26.15
  Layer 4 w0.122: v1(-43.279,-27.271) -42.75,-27.8 -37.2,-27.8 -34.9,-25.5 -34.9,-20.1 -35.4,-19.6 -38.175,-19.6 v1(-39.1,-20.525)
  Bottom Layer w0.107: R207.1@-39.1,-21 v1(-39.1,-20.525)
SOC_MMC0_DAT2: PIN1101.66 R206.1 U201.A5 | length 22.6
  Top Layer w0.08: v1(-41.3,-20.525) -40.3,-20.525 -39.9,-20.125 U201.A5@-39.9,-19.4
  Top Layer w0.15: v1(-44.379,-27.271) PIN1101.66@-44.379,-26.15
  Layer 4 w0.122: v1(-44.379,-27.271) -44.379,-27.779 -44.875,-28.275 -46.625,-28.275 -47.125,-27.775 -47.125,-22.85 -46.05,-21.775 -39.95,-21.775 -39.725,-21.55 -39.725,-21.3 -40.1,-20.925 -40.9,-20.925 v1(-41.3,-20.525)
  Bottom Layer w0.107: R206.1@-41.3,-21 v1(-41.3,-20.525)
SOC_MMC0_DAT3: PIN1101.65 R205.1 U201.B2 | length 22.6
  Top Layer w0.08: U201.B2@-38.4,-18.9 -38.15,-19.15 -38.15,-19.6 -38,-19.75 -36.2,-19.75 -35.8,-20.15 v1(-35.8,-20.525)
  Top Layer w0.15: v1(-45.479,-27.271) PIN1101.65@-45.479,-26.15
  Layer 4 w0.122: v1(-45.479,-27.271) -45.479,-23.479 -44.7,-22.7 -43.764,-22.7 -43.073,-22.7 -42.947,-22.826 -42.947,-23.717 -42.821,-23.843 -42.443,-23.843 -42.317,-23.717 -42.317,-22.826 -42.191,-22.7 -41.671,-22.7 -37.05,-22.7 -35.8,-21.45 v1(-35.8,-20.525)
  Bottom Layer w0.107: R205.1@-35.8,-21 v1(-35.8,-20.525)
SOC_MMC0_DAT4: PIN1101.64 R204.1 U201.B3 | length 22.6
  Top Layer w0.08: U201.B3@-38.9,-18.9 -38.655,-19.145 -38.655,-19.645 -38.35,-19.95 -37.125,-19.95 -36.9,-20.175 v1(-36.9,-20.525)
  Top Layer w0.15: v1(-46.579,-27.271) PIN1101.64@-46.579,-26.15
  Layer 4 w0.122: v1(-46.579,-27.271) -46.579,-26.423 -46.579,-25.733 -46.453,-25.607 -45.989,-25.607 -45.863,-25.481 -45.863,-25.103 -45.989,-24.977 -46.573,-24.977 -46.699,-24.851 -46.699,-24.473 -46.573,-24.347 -45.989,-24.347 -45.863,-24.221 -45.863,-23.843 -45.989,-23.717 -46.453,-23.717 -46.579,-23.591 -46.579,-23.494 -46.579,-23.229 -45.575,-22.225 -37.825,-22.225 -36.9,-21.3 v1(-36.9,-20.525)
  Bottom Layer w0.107: R204.1@-36.9,-21 v1(-36.9,-20.525)
SOC_MMC0_DAT5: PIN1101.63 R203.1 U201.B4 | length 22.6
  Top Layer w0.08: v1(-39.825,-20.55) -39.825,-20.524 -39.645,-20.344 -39.645,-19.145 U201.B4@-39.4,-18.9
  Top Layer w0.15: v1(-47.679,-27.271) PIN1101.63@-47.679,-26.15
  Layer 4 w0.122: v1(-47.679,-27.271) -47.679,-28.046 -47.35,-28.375 -47.35,-28.65 -47.65,-28.95 -47.95,-28.95 -48.25,-28.65 -48.25,-22.625 -47,-21.375 -42.375,-21.375 -41.875,-20.875 -41.875,-20.125 -41.6,-19.85 -41.15,-19.85 -40.45,-20.55 v1(-39.825,-20.55)
  Bottom Layer w0.107: R203.1@-40.2,-21 -40.15,-21 -39.881,-20.731 -39.881,-20.606 v1(-39.825,-20.55)
SOC_MMC0_DAT6: PIN1101.62 R202.1 U201.B5 | length 22.6
  Top Layer w0.08: v1(-42.4,-20.525) -42.05,-20.175 -40.325,-20.175 -40.155,-20.005 -40.155,-19.155 U201.B5@-39.9,-18.9
  Top Layer w0.15: v1(-48.779,-27.271) PIN1101.62@-48.779,-26.15
  Layer 4 w0.122: v1(-48.779,-27.271) -48.779,-26.824 -48.779,-26.763 -48.905,-26.637 -49.271,-26.637 -49.397,-26.511 -49.397,-26.133 -49.271,-26.007 -48.745,-26.007 -48.619,-25.881 -48.619,-25.503 -48.745,-25.377 -49.271,-25.377 -49.397,-25.251 -49.397,-24.873 -49.271,-24.747 -48.745,-24.747 -48.619,-24.621 -48.619,-24.243 -48.745,-24.118 -49.271,-24.118 -49.397,-23.992 -49.397,-23.614 -49.271,-23.488 -48.745,-23.488 -48.619,-23.362 -48.619,-22.984 -48.745,-22.858 -49.271,-22.858 -49.397,-22.732 -49.397,-22.354 -49.271,-22.228 -48.905,-22.228 -48.779,-22.102 -48.779,-21.731 -48.779,-21.454 -48.278,-20.953 -42.828,-20.953 v1(-42.4,-20.525)
  Bottom Layer w0.107: R202.1@-42.4,-21 v1(-42.4,-20.525)